# Altium PCB PCB-ZB206B-0B.PcbDoc (part 6 of 7)
Units mm, origin at the board's own origin, x right, y up, seen from the top; angles counter-clockwise.
Board outline 366.51 x 137.86 mm, 2 copper layers (Top Layer, Bottom Layer); 583 components, 415 nets, 1779 pads, 4554 vias.
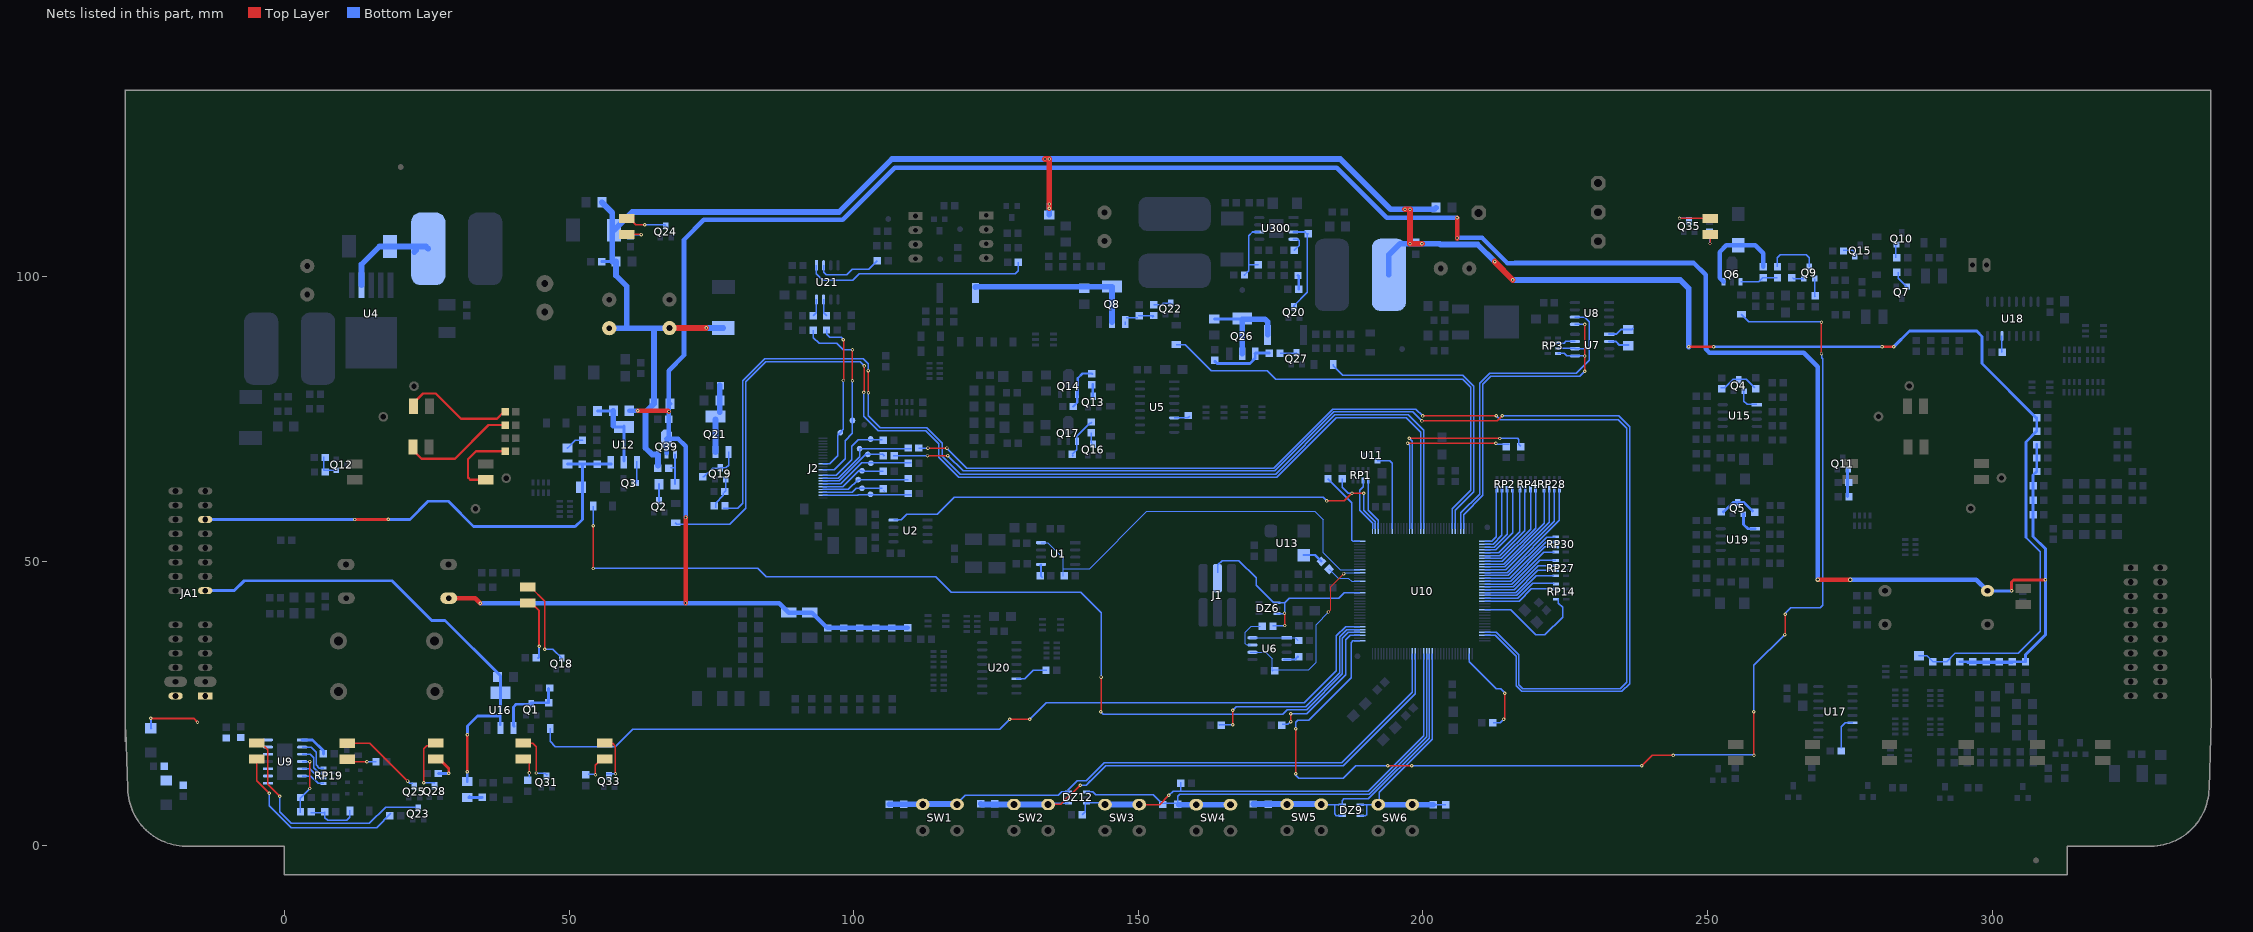
[diagram p6: the nets of this part, all layers, seen from the top]

## Via types
v1: diameter 0.6, hole 0.3, Top Layer to Bottom Layer, tented both sides, 4537 vias
v2: diameter 0.8, hole 0.3, Top Layer to Bottom Layer, 6 vias
v3: diameter 6, hole 3.4, Top Layer to Bottom Layer, 4 vias
v4: diameter 1, hole 0.5, Top Layer to Bottom Layer, tented both sides, 3 vias
v5: diameter 0.8, hole 0.4, Top Layer to Bottom Layer, 2 vias
v6: diameter 1, hole 0.3, Top Layer to Bottom Layer, 1 vias
v7: diameter 1, hole 0.5, Top Layer to Bottom Layer, 1 vias

## Nets (pads, with @x,y where several pads share a name; then routed paths per layer and width w, separated by ;. In a path a pad name is that pad's centre, name@x,y a point inside that pad or via, vN(x,y) a via of type N, cw(c..) or ccw(c..) an arc to the next point about the centre after c; other vN are vias at no path point) (continued)
NetDL13_1: DL13.1 RL6.2 | length 13.6
  Top Layer w0.4: DL13.1@35.332,64.327 32.623,64.327 32.23,64.72 32.23,67.93 33.65,69.35 RL6.2@38.75,69.35
NetDL14_1: DL14.1 RL7.2 | length 19.7
  Top Layer w0.4: DL14.1@22.652,77.237 22.652,77.812 24.34,79.5 26.55,79.5 30.995,75.055 37.305,75.055 38.51,76.26 RL7.2@38.75,76.26
NetDL15_1: DL15.1 RL8.2 | length 19.8
  Top Layer w0.4: DL15.1@22.572,70.077 22.572,69.518 24.07,68.02 29.93,68.02 35.85,73.94 RL8.2@38.75,73.94
NetDL16_1: DL16.1 R74.1 | length 4.3
  Top Layer w0.25: DL16.1@60.122,107.437 62.623,107.437 v1(62.65,107.41)
  Bottom Layer w0.25: R74.1@60.91,107.47 60.97,107.41 v1(62.65,107.41)
NetDL16_2: DL16.2 Q24.3 | length 8.7
  Top Layer w0.25: DL16.2@60.699,109.66 DL16.2@60.122,110.237 DL16.2@61.403,110.237 ; DL16.2@60.83,110.03 61.73,109.13 v1(63.27,109.13)
  Bottom Layer w0.25: v1(63.27,109.13) 63.28,109.12 66.757,109.12 Q24.3@66.965,108.912
NetDL17_1: DL17.1 R23.1 | length 11.2
  Top Layer w0.35: DL17.1@43.316,43.28 43.048,43.012 44.73,41.33 v1(44.73,35.08)
  Bottom Layer w0.35: R23.1@44.55,33.01 44.73,33.19 v1(44.73,35.08)
NetDL17_2: DL17.2 Q18.3 | length 16.1
  Top Layer w0.3: DL17.2@42.722,45.487 43.203,45.487 45.71,42.98 v1(45.71,34.56)
  Bottom Layer w0.3: v1(45.71,34.56) 47.152,34.56 Q18.3@48.692,33.02
NetDL18_1: DL18.1 R55.1 | length 33.1
  Top Layer w0.25: DL18.1@-4.868,15.247 -4.868,11.468 v1(-2.67,9.27)
  Bottom Layer w0.25: v1(-2.67,9.27) -2.67,7.02 1.16,3.19 16.18,3.19 R55.1@18.685,5.695
NetDL18_2: DL18.2 Q23.3 | length 40
  Top Layer w0.25: DL18.2@-4.868,18.047 -4.157,18.047 -2.97,16.86 -2.97,10.86 -0.84,8.73 v1(-0.83,8.73)
  Bottom Layer w0.25: v1(-0.83,8.73) -0.83,5.99 1.21,3.95 14.87,3.95 17.74,6.82 Q23.3@23.03,6.82
NetDL19_1: DL19.1 R172.1 | length 4.7
  Top Layer w0.25: DL19.1@11.48,14.97 11.68,14.77 v1(14.47,14.77)
  Bottom Layer w0.25: v1(14.47,14.77) R172.1@16.07,14.77
NetDL19_2: DL19.2 Q25.3 | length 14.4
  Top Layer w0.25: DL19.2@11.022,18.027 14.973,18.027 v1(21.61,11.39)
  Bottom Layer w0.25: v1(21.61,11.39) 22.03,10.97 Q25.3@22.48,10.97
NetDL20_1: DL20.1 R180.1 | length 4.8
  Top Layer w0.5: DL20.1@27.35,15.1 28.85,13.6 v1(28.85,12.74)
  Bottom Layer w0.5: R180.1@27.02,12.72 28.83,12.72 v1(28.85,12.74)
NetDL20_2: DL20.2 Q28.3 | length 10.5
  Top Layer w0.25: v1(24.44,11.09) 24.44,17.07 24.96,17.59 26.126,17.59 DL20.2@26.592,18.057
  Bottom Layer w0.25: v1(24.44,11.09) 26.26,11.09 Q28.3@26.38,10.97
NetDL21_1: DL21.1 R185.1 | length 3.6
  Top Layer w0.25: DL21.1@41.912,15.247 42.693,15.247 43.02,14.92 43.02,13.21
  Bottom Layer w0.25: v1(43.02,12.82) 43.02,12.19 R185.1@43.06,12.15
NetDL21_2: DL21.2 Q31.3 | length 8.9
  Top Layer w0.25: DL21.2@41.912,18.047 43.603,18.047 44.24,17.41 44.24,13.21 ; v1@44.18,12.76 v1@44.24,12.82
  Bottom Layer w0.25: v1(44.24,12.8) 45.69,12.8 Q31.3@46.12,12.37
NetDL22_1: DL22.1 R189.1 | length 5.1
  Top Layer w0.25: v1@54.58,12.41 54.63,12.46 v1(54.63,12.5) 54.63,14.16 55.717,15.247 DL22.1@56.242,15.247
  Bottom Layer w0.25: R189.1@53.37,12.58 54.55,12.58 v1(54.63,12.5)
NetDL22_2: DL22.2 Q33.3 | length 8.7
  Top Layer w0.25: DL22.2@56.242,18.047 57.623,18.047 58.12,17.55 58.12,12.7 v1@58.04,12.62
  Bottom Layer w0.25: Q33.3@56.535,12.7 v1(58.14,12.7)
NetDL23_1: DL23.1 R193.1 | length 3.6
  Top Layer w0.25: v1(250.44,105.83) 250.462,105.852 DL23.1@250.462,107.437
  Bottom Layer w0.25: R193.1@250.38,107.78 250.44,107.72 v1(250.44,105.83)
NetDL23_2: DL23.2 Q35.3 | length 7.2
  Top Layer w0.25: v1(245.09,110.24) 245.093,110.237 DL23.2@250.462,110.237 DL23.2@250.476,110.25
  Bottom Layer w0.25: v1(245.09,110.24) 246.88,110.24 Q35.3@246.9,110.22
NetDW1_2: DW1.2 L2.1 U4.2 | length 17.3
  Bottom Layer w1: U4.2@13.52,98.51 13.52,102.169 16.666,105.315 DW1.2@18.507,105.315 24.845,105.315 L2.1@25.25,104.91 ; L2.1@22.81,104.33 L2.1@23.12,104.64
NetDW12_2: DW12.2 R32.2 R147.1 | length 9.3
  Bottom Layer w0.25: R32.2@4.64,5.81 R147.1@6.86,5.81 ; R147.1@7.08,5.99 7.08,4.94 7.55,4.47 10.89,4.47 11.47,5.05 DW12.2@11.47,6.13 DW12.2@11.47,6.25
NetJ2_2: J2.2 R138.1 TP20.1 | length 15.6
  Bottom Layer w0.25: J2.2@94.575,61.62 100.677,61.62 100.787,61.73 R138.1@110.1,61.73
NetJ2_3: J2.3 R148.1 TP21.1 | length 10.7
  Bottom Layer w0.25: J2.3@94.575,62.12 99.737,62.12 100.447,62.83 TP21.1@101.46,62.83 ; TP21.1@101.498,62.88 R148.1@104.97,62.88 ; R148.1@105.31,62.35 R148.1@105.37,62.41
NetJ2_4: J2.4 R149.1 TP22.1 | length 15.7
  Bottom Layer w0.25: J2.4@94.575,62.62 99.03,62.62 TP22.1@100.77,64.36 ; TP22.1@100.84,64.36 R149.1@109.58,64.36
NetJ2_5: J2.5 R152.1 TP23.1 | length 11.9
  Bottom Layer w0.25: J2.5@94.575,63.12 98.096,63.12 100.866,65.89 TP23.1@101.37,65.89 ; TP23.1@101.46,65.89 TP23.1@101.37,65.89 ; R152.1@105.18,65.83 R152.1@105.19,65.82 ; R152.1@105.21,65.85 101.41,65.85 TP23.1@101.37,65.89
NetJ2_6: J2.6 R153.1 TP24.1 | length 17
  Bottom Layer w0.25: J2.6@94.575,63.62 97.758,63.62 101.428,67.29 R153.1@110.07,67.29
NetJ2_7: J2.7 R154.1 TP25.1 | length 13.5
  Bottom Layer w0.25: J2.7@94.575,64.12 97.491,64.12 102.152,68.78 TP25.1@102.49,68.78 TP25.1@102.59,68.78 ; TP25.1@102.76,68.95 TP25.1@102.59,68.78 ; R154.1@104.99,68.93 R154.1@105.14,68.78 ; R154.1@105.19,68.58 105.283,68.58 R154.1@105.311,68.609 ; R154.1@105.41,68.51 R154.1@105.311,68.609 ; TP25.1@102.59,68.78 R154.1@105.14,68.78 ; R154.1@105.14,68.78 R154.1@105.311,68.609
NetJ2_8: J2.8 R155.1 TP26.1 | length 18.5
  Bottom Layer w0.25: J2.8@94.575,64.62 97.284,64.62 101.03,68.366 TP26.1@101.03,69.78 R155.1@110.07,69.78
NetJ2_9: J2.9 R156.1 TP27.1 | length 14.5
  Bottom Layer w0.25: J2.9@94.575,65.12 96.972,65.12 99.67,67.818 99.67,70.25 100.82,71.4 R156.1@105.04,71.4
NetL5_1: L5.1 Q6.3 R115.1 | length 16.6
  Bottom Layer w0.8: Q6.3@252.82,99.09 252.12,99.79 252.12,104.33 253.31,105.52 L5.1@255.4,105.52 258.39,105.52 259.78,104.13 R115.1@259.78,101.75
NetL21_1: L21.1 Q21.2 Q21.4 R133.2 | length 10.4
  Bottom Layer w1: Q21.2@75.71,69.22 Q21.4@75.71,74.9 ; Q21.4@76.48,76.19 76.48,80.84 L21.1@76.48,80.95
NetQ1_3: Q1.3 R7.2 R97.2 U16.1 | length 12.7
  Bottom Layer w0.5: U16.1@40.34,21.03 40.22,21.15 40.22,24.42 40.68,24.88 Q1.3@43.11,24.88 ; Q1.3@43.15,24.942 43.15,24.92 Q1.3@43.11,24.88 ; Q1.3@43.165,24.942 43.363,25.14 R97.2@46.4,25.14 46.4,27.61 R7.2@46.36,27.65 ; Q1.3@43.37,24.88 Q1.3@43.11,24.88
NetQ2_3: Q2.3 R16.1 | length 3.2
  Bottom Layer w0.4: R16.1@65.79,63.29 R16.1@65.79,63.53 ; Q2.3@65.795,60.612 R16.1@65.795,63.525
NetQ3_3: Q3.3 U12.1 | length 4
  Bottom Layer w0.25: Q3.3@61.582,63.755 61.91,64.083 U12.1@61.91,67.4 U12.1@61.91,67.6
NetQ4_1: Q4.1 U15.1 | length 4.7
  Bottom Layer w0.25: Q4.1@256.4,80.34 256.4,78.15 256.97,77.58 U15.1@258.69,77.58
NetQ4_2: Q4.2 R14.1 R21.1 | length 7.2
  Bottom Layer w0.254: R21.1@252.36,80.47 253.06,80.47 254.552,81.962 256.798,81.962 R14.1@258.29,80.47
NetQ5_1: Q5.1 U19.1 | length 4.2
  Bottom Layer w0.5: Q5.1@256.4,58.31 256.38,58.33 256.36,58.33 256.34,58.31 256.34,56.48 257.09,55.73 U19.1@258.33,55.73
NetQ5_2: Q5.2 R93.1 R96.1 | length 6.4
  Bottom Layer w0.5: R96.1@252.81,58.72 252.83,58.7 252.83,58.68 254.462,60.312 Q5.2@255.339,60.312 256.408,60.312 R93.1@257.89,58.83
NetQ6_1: Q6.1 R115.2 R116.2 | length 6.8
  Bottom Layer w0.25: Q6.1@255.82,99.09 258.97,99.09 259.72,99.84 R116.2@262.3,99.84 ; R115.2@259.67,99.38 259.68,99.38 R115.2@259.69,99.37
NetQ7_1: Q7.1 R117.2 | length 3.3
  Bottom Layer w0.25: R117.2@283.51,100.76 283.49,100.74 283.49,99.74 285.035,98.195 Q7.1@285.035,98.13
NetQ8_1: Q8.1 R171.1 R174.1 | length 5.6
  Bottom Layer w0.25: Q8.1@147.69,91.59 Q8.1@147.69,92.06 ; Q8.1@147.84,92.79 R171.1@149.91,92.79 ; R171.1@150.06,93.23 150.11,93.18 R174.1@152.72,93.18 R174.1@152.44,92.9
NetQ8_2: Q8.2 R25.1 R169.2 | length 30.3
  Bottom Layer w1: R25.1@121.33,98.16 121.425,98.255 145.39,98.255 Q8.2@145.39,92.06
NetQ9_1: Q9.1 R165.2 | length 2
  Bottom Layer w0.25: R165.2@264.96,99.78 265.06,99.68 Q9.1@266.935,99.68
NetQ9_2: Q9.2 R157.2 | length 3.2
  Bottom Layer w0.25: Q9.2@268.84,99.68 268.84,96.56 R157.2@268.91,96.49
NetQ9_3: Q9.3 R116.1 | length 9.1
  Bottom Layer w0.25: R116.1@262.3,101.74 262.3,103.34 262.8,103.84 267.36,103.84 267.91,103.29 Q9.3@267.91,101.79
NetQ10_1: Q10.1 R164.1 | length 2.7
  Bottom Layer w0.25: Q10.1@283.07,105.98 283.12,105.93 R164.1@283.12,103.31
NetQ11_1: Q11.1 R75.2 R78.1 | length 4.7
  Bottom Layer w0.5: R75.2@274.59,61.36 Q11.1@274.59,66.05
NetQ12_1: Q12.1 R76.2 R79.1 | length 4.5
  Bottom Layer w0.25: R79.1@6.903,68.342 6.903,66.012 9.063,66.012 Q12.1@9.073,66.002
NetQ13_3: Q13.3 R84.2 | length 2.3
  Bottom Layer w0.4: Q13.3@141.87,78.84 141.98,78.95 R84.2@141.98,81.1
NetQ14_1: Q14.1 R81.2 R84.1 | length 9
  Bottom Layer w0.4: R81.2@138.59,77.2 139.28,77.89 139.28,80.06 ; Q14.1@139.38,79.21 139.38,82.17 140.21,83 141.79,83 141.9,82.89 R84.1@141.89,82.89
NetQ15_1: Q15.1 R170.2 | length 2.9
  Bottom Layer w0.25: R170.2@273.83,104.65 275.48,104.65 275.895,104.235 Q15.1@275.895,103.54
NetQ16_3: Q16.3 R128.1 | length 1.9
  Bottom Layer w0.25: R128.1@141.72,72.58 141.72,70.87 Q16.3@141.88,70.71
NetQ17_1: Q17.1 R57.2 R128.2 | length 7.4
  Bottom Layer w0.25: R57.2@138.38,68.45 R57.2@138.555,68.625 ; R57.2@138.39,68.79 139.19,69.59 Q17.1@139.19,71.12 ; Q17.1@139.22,71.12 139.22,72.012 141.478,74.27 141.62,74.27 R128.2@141.82,74.47
NetQ19_1: Q19.1 R135.2 R136.2 | length 5.6
  Bottom Layer w0.25: R135.2@75.77,59.42 75.77,60.24 77.11,61.58 R136.2@77.11,62.04 ; R136.2@77.3,62.11 77.29,62.12 77.28,62.12 77.53,62.37 Q19.1@77.53,64.39
NetQ19_3: Q19.3 Q21.1 R134.2 | length 7.6
  Bottom Layer w0.25: R134.2@73.45,64.83 73.63,64.83 75.19,66.39 Q19.3@76.5,66.39 ; Q19.3@76.565,66.422 77.512,66.422 78.01,66.92 Q21.1@78.01,69.22
NetQ20_3: Q20.3 R130.2 U300.3 | length 16.5
  Bottom Layer w0.3: U300.3@177.25,107.855 179.297,107.855 R130.2@179.705,107.447 ; Q20.3@177.343,94.742 177.343,94.92 179.705,97.282 R130.2@179.705,107.447 ; R130.2@179.832,107.574 R130.2@179.705,107.447
NetQ22_3: Q22.3 R174.2 | length 3.2
  Bottom Layer w0.25: R174.2@152.72,95.08 154.102,95.08 154.374,95.352 Q22.3@155.705,95.352 ; Q22.3@155.66,95.08 Q22.3@155.73,95.01
NetQ26_1: Q26.1 R102.1 R105.1 | length 11
  Bottom Layer w0.5: R102.1@163.419,85.157 163.829,84.747 169.599,84.747 170.558,85.706 Q26.1@170.558,86.457 ; Q26.1@170.489,86.497 170.579,86.587 R105.1@172.999,86.587
NetQ26_2: Q26.2 R22.1 R62.2 | length 17.9
  Bottom Layer w0.5: R62.2@163.359,92.547 Q26.2@168.258,92.547
  Bottom Layer w1: Q26.2@168.258,86.457 168.258,92.547 172.248,92.547 172.72,92.075 R22.1@172.72,89.789
NetQ27_3: Q27.3 R105.2 | length 2.9
  Bottom Layer w0.25: R105.2@174.899,86.587 177.773,86.587 Q27.3@177.8,86.614
NetQ39_1: Q39.1 R16.2 R110.1 | length 6
  Bottom Layer w0.3: R110.1@67.9,66.43 68.53,66.43 68.61,66.35 ; R16.2@68.59,63.53 68.61,63.55 68.61,66.35 ; Q39.1@68.61,68.75 68.61,66.35
NetR9_1: R9.1 U10.87 | length 36.7
  Top Layer w0.25: v1(197.6,71.63) 213.45,71.63 v1(213.5,71.58)
  Bottom Layer w0.25: v1(197.6,71.63) 198.15,71.08 U10.87@198.15,55.76 ; v1(213.5,71.58) 216.67,71.58 216.87,71.38 216.87,70.54 R9.1@217.16,70.25
NetR10_1: R10.1 U10.86 | length 33.1
  Top Layer w0.25: v1(197.31,70.76) v1(212.83,70.76)
  Bottom Layer w0.25: v1(197.31,70.76) 197.65,70.42 U10.86@197.65,55.76 ; v1@212.81,70.74 v1(212.83,70.76) 212.99,70.6 R10.1@215.16,70.6
NetR17_1: R17.1 R18.1 U12.2 U12.4 | length 13.6
  Bottom Layer w0.5: R18.1@54.97,76.42 57.77,76.42 R17.1@57.77,76.44 ; 57.77,73.802 57.972,73.6 U12.4@59.61,73.6 ; U12.2@59.61,67.6 U12.4@59.61,73.8
  Bottom Layer w1: 57.77,73.802 R17.1@57.77,76.42
NetR29_1: R29.1 U9.1 | length 5.1
  Bottom Layer w0.5: U9.1@3.09,18.63 4.91,18.63 6.83,16.71 R29.1@6.83,16.17
NetR32_1: R32.1 R38.2 U9.4 | length 11
  Top Layer w0.25: v1@4.42,10.12 v1(4.42,14.82)
  Bottom Layer w0.25: R32.1@2.74,5.81 2.74,8.47 2.81,8.47 v1(4.42,10.08) ; U9.4@3.09,14.82 v1(4.42,14.82)
NetR33_1: R33.1 U6.1 U6.8 | length 8.5
  Bottom Layer w0.2: U6.8@169.657,36.568 U6.8@170.06,36.568 U6.1@176.06,36.568 177.567,36.568 R33.1@177.997,36.138
NetR34_1: R34.1 U6.7 | length 6
  Bottom Layer w0.2: U6.7@169.657,35.298 169.042,35.298 168.802,35.538 168.802,37.512 169.87,38.58 R34.1@171.4,38.58
NetR35_1: R35.1 U6.4 | length 2.5
  Bottom Layer w0.4: U6.4@175.657,32.758 U6.4@176.06,32.758 177.537,32.758 R35.1@178.007,33.228
NetR43_1: R43.1 U10.41 | length 36.8
  Top Layer w0.25: v1(166.57,23.82) 166.57,21.32 v1(166.58,21.31)
  Bottom Layer w0.25: R43.1@164.25,21.21 164.35,21.31 v1(166.58,21.31) ; v1(166.57,23.82) 167.2,24.45 179.39,24.45 185.37,30.43 185.37,36.74 186.64,38.01 U10.41@188.9,38.01
NetR53_1: R53.1 U13.3 | length 3.6
  Bottom Layer w0.4: U13.3@179.025,51.1 181.04,51.1 R53.1@182.17,49.97
NetR53_2: R53.2 U10.58 | length 6.3
  Bottom Layer w0.2: R53.2@183.45,48.61 R53.2@183.474,48.586 ; R53.2@183.514,48.626 185.098,47.042 186.928,47.042 187.46,46.51 U10.58@188.9,46.51
NetR87_1: R87.1 U5.6 | length 2.9
  Bottom Layer w0.25: U5.6@156.31,75.2 158.73,75.2 R87.1@159.05,75.52
NetR88_1: R88.1 U17.6 | length 6
  Bottom Layer w0.25: R88.1@273.52,17.17 273.52,20.96 274.2,21.64 U17.6@275.48,21.64
NetR89_1: R89.1 U18.6 | length 2.9
  Bottom Layer w0.25: U18.6@301.742,89.607 301.742,86.828 R89.1@301.82,86.75
NetR90_1: R90.1 U20.6 | length 5.9
  Bottom Layer w0.25: U20.6@128.55,29.38 130.08,29.38 131.52,30.82 R90.1@133.87,30.82
NetR139_2: R139.2 U10.2 | length 16.7
  Top Layer w0.25: v1(214.18,22.23) 214.37,22.42 v1(214.37,26.83)
  Bottom Layer w0.25: U10.2@208.15,33.76 208.15,32.344 212.884,27.61 213.65,27.61 214.37,26.89 v1(214.37,26.83) ; R139.2@212.37,21.64 213.59,21.64 v1(214.18,22.23)
NetR140_1: R140.1 R145.2 | length 2.6
  Bottom Layer w0.5: R145.2@32.51,8.65 32.37,8.51 34.7,8.51 R140.1@34.74,8.55
NetR142_1: R142.1 U10.72 | length 14
  Bottom Layer w0.25: R142.1@183.32,64.48 187.53,60.27 187.53,53.737 187.757,53.51 U10.72@188.9,53.51
NetR143_1: R143.1 R146.2 | length 3.2
  Bottom Layer w0.3: R146.2@49.7,69.89 51.09,71.28 R143.1@52.34,71.28
NetR163_1: R163.1 R179.2 U300.6 | length 11
  Bottom Layer w0.3: R163.1@168.656,100.308 169.418,101.07 169.418,102.108 ; R179.2@171.069,102.108 169.418,102.108 ; U300.6@171.25,107.855 170.065,107.855 169.418,107.208 169.418,102.108
NetR175_1: R175.1 U10.39 | length 24.5
  Top Layer w0.25: v1(176.77,21.84) v1(176.77,23.24) v1@176.77,23.26
  Bottom Layer w0.25: R175.1@175.31,21.34 176.27,21.34 v1(176.77,21.84) ; v1@176.77,23.26 179.617,23.26 186.41,30.053 186.41,36.19 187.23,37.01 U10.39@188.9,37.01
NetR195_2: R195.2 U300.4 | length 3.2
  Bottom Layer w0.3: U300.4@177.25,106.585 178.022,106.585 178.26,106.347 178.26,105.489 R195.2@177.419,104.648
NetR196_2: R196.2 R197.1 | length 2.5
  Bottom Layer w0.5: R196.2@178.054,100.208 178.181,100.081 R197.1@178.181,97.79
NetR233_2: R233.2 U21.8 | length 3.1
  Bottom Layer w0.25: R233.2@92.9,93.16 93.43,93.69 U21.8@93.43,96
NetR234_1: R234.1 U21.7 | length 3
  Bottom Layer w0.25: U21.7@94.7,96 94.7,93.69 R234.1@95.22,93.17
NetRP1_1: RP1.1 U10.75 | length 9.2
  Bottom Layer w0.25: RP1.1@190.4,64.2 190.4,58.955 192.15,57.205 U10.75@192.15,55.76
NetRP1_2: RP1.2 U10.73 | length 9.6
  Bottom Layer w0.25: RP1.2@189.5,64.2 189.5,63.135 188.874,62.509 188.874,59.004 191.15,56.729 U10.73@191.15,55.76
NetRP2_5: RP2.5 U10.112 | length 14.1
  Bottom Layer w0.25: U10.112@210.9,52.01 212.761,52.01 215.77,55.019 215.77,60.88 215.78,60.89 RP2.5@215.78,63.03
NetRP2_6: RP2.6 U10.111 | length 12.8
  Bottom Layer w0.25: U10.111@210.9,52.51 212.547,52.51 214.8,54.763 214.8,61.14 214.81,61.15 RP2.6@214.81,62.75
NetRP2_7: RP2.7 U10.110 | length 11.9
  Bottom Layer w0.25: U10.110@210.9,53.01 212.34,53.01 213.88,54.55 RP2.7@213.88,62.82
NetRP2_8: RP2.8 U10.109 | length 10.7
  Bottom Layer w0.25: U10.109@210.9,53.51 212.12,53.51 212.9,54.29 RP2.8@212.9,62.63
NetRP3_2: RP3.2 U7.7 | length 3.1
  Bottom Layer w0.25: RP3.2@223.719,88.335 224.829,88.335 225.119,88.625 U7.7@226.729,88.625
NetRP4_5: RP4.5 U10.116 | length 18.5
  Bottom Layer w0.25: U10.116@210.9,50.01 213.961,50.01 219.8,55.849 RP4.5@219.8,63.04
NetRP4_6: RP4.6 U10.115 | length 17.1
  Bottom Layer w0.25: U10.115@210.9,50.51 213.751,50.51 218.91,55.669 RP4.6@218.91,62.59
NetRP4_7: RP4.7 U10.114 | length 16.4
  Bottom Layer w0.25: U10.114@210.9,51.01 213.541,51.01 217.93,55.399 RP4.7@217.93,62.94
NetRP4_8: RP4.8 U10.113 | length 14.9
  Bottom Layer w0.25: U10.113@210.9,51.51 213.33,51.51 216.99,55.17 RP4.8@216.99,62.51
NetRP14_5: RP14.5 U10.133 | length 20.3
  Bottom Layer w0.25: U10.133@210.9,41.51 215.434,41.51 219.86,37.084 221.444,37.084 224.54,40.18 224.54,41.89 223.79,42.64 223.79,43.34 RP14.5@223.79,43.41
NetRP14_7: RP14.7 U10.130 | length 13.4
  Bottom Layer w0.25: U10.130@210.9,43.01 216.902,43.01 219.062,45.17 RP14.7@223.42,45.17
NetRP14_8: RP14.8 U10.129 | length 13.3
  Bottom Layer w0.25: U10.129@210.9,43.51 216.691,43.51 219.291,46.11 RP14.8@223.08,46.11
NetRP19_5: RP19.5 U9.6 | length 4.3
  Bottom Layer w0.25: U9.6@3.09,12.28 4.58,12.28 5.88,10.98 RP19.5@6.85,10.98
NetRP19_6: RP19.6 U9.5 | length 4.5
  Bottom Layer w0.25: U9.5@3.09,13.55 4.47,13.55 6.14,11.88 RP19.6@6.85,11.88
NetRP19_7: RP19.7 U9.3 | length 6.1
  Bottom Layer w0.25: U9.3@3.09,16.09 4.49,16.09 5.1,15.48 5.1,13.77 6.09,12.78 RP19.7@6.85,12.78
NetRP19_8: RP19.8 U9.2 | length 6.6
  Bottom Layer w0.25: U9.2@3.09,17.36 4.68,17.36 5.6,16.44 5.6,14.22 6.14,13.68 RP19.8@6.85,13.68
NetRP27_5: RP27.5 U10.128 | length 13.6
  Bottom Layer w0.25: U10.128@210.9,44.01 216.481,44.01 219.941,47.47 RP27.5@223.03,47.47
NetRP27_6: RP27.6 U10.127 | length 13.8
  Bottom Layer w0.25: U10.127@210.9,44.51 216.271,44.51 220.161,48.4 RP27.6@223.12,48.4
NetRP27_7: RP27.7 U10.126 | length 14
  Bottom Layer w0.25: U10.126@210.9,45.01 216.061,45.01 220.271,49.22 RP27.7@223.19,49.22
NetRP27_8: RP27.8 U10.125 | length 14.4
  Bottom Layer w0.25: U10.125@210.9,45.51 215.851,45.51 220.521,50.18 RP27.8@223.38,50.18
NetRP28_5: RP28.5 U10.120 | length 22.3
  Bottom Layer w0.25: U10.120@210.9,48.01 214.801,48.01 223.98,57.189 RP28.5@223.98,62.58
NetRP28_6: RP28.6 U10.119 | length 21.3
  Bottom Layer w0.25: U10.119@210.9,48.51 214.591,48.51 223.11,57.029 RP28.6@223.11,62.56
NetRP28_7: RP28.7 U10.118 | length 20.2
  Bottom Layer w0.25: U10.118@210.9,49.01 214.381,49.01 222.24,56.869 RP28.7@222.24,62.5
NetRP28_8: RP28.8 U10.117 | length 19.2
  Bottom Layer w0.25: U10.117@210.9,49.51 214.171,49.51 221.32,56.659 RP28.8@221.32,62.5
NetRP30_5: RP30.5 U10.124 | length 14.5
  Bottom Layer w0.25: U10.124@210.9,46.01 215.638,46.01 221.258,51.63 RP30.5@223.06,51.63
NetRP30_6: RP30.6 U10.123 | length 14.4
  Bottom Layer w0.25: U10.123@210.9,46.51 215.431,46.51 221.441,52.52 RP30.6@222.85,52.52
NetRP30_7: RP30.7 U10.122 | length 14.9
  Bottom Layer w0.25: U10.122@210.9,47.01 215.221,47.01 221.591,53.38 RP30.7@223.19,53.38
NetRP30_8: RP30.8 U10.121 | length 15.2
  Bottom Layer w0.25: U10.121@210.9,47.51 215.011,47.51 221.741,54.24 RP30.8@223.29,54.24
NetU7_1: U7.1 YC2.2 | length 4.5
  Bottom Layer w0.35: U7.1@232.729,89.895 233.999,89.895 234.799,90.695 236.709,90.695 YC2.2@236.876,90.862
NetU7_2: U7.2 YC2.1 | length 3.6
  Bottom Layer w0.35: U7.2@232.729,88.625 233.889,88.625 234.509,88.005 YC2.1@236.089,88.005
NetU10_80: U10.80 U11.2 | length 14.3
  Bottom Layer w0.25: U11.2@192.024,67.691 194.183,67.691 194.65,67.224 U10.80@194.65,55.76
OUT1: C75.2 D36.2 JA1.1 R131.1 U9.12 U9.13 U9.14 | length 10.3
  Top Layer w0.35: v1(-23.49,22.41) -15.96,22.41 v1(-15.29,21.74)
  Bottom Layer w0.35: v1(-23.49,22.41) -23.49,20.7 -23.44,20.65 -23.42,20.65 D36.2@-23.4,20.67
OUT2: C78.1 D48.2 JA1.2 R36.2 U9.8 U9.9 U9.10
PWM1: D16.1 U10.40 | length 176.2
  Top Layer w0.25: v1(54.23,48.74) v1(54.23,56.25) ; v1(143.39,23.58) 143.49,23.68 143.49,29.63 v1(143.46,29.66)
  Bottom Layer w0.25: v1(54.23,48.74) 83.15,48.74 84.646,47.244 114.446,47.244 117.128,44.562 139.862,44.562 143.46,40.963 v1(143.46,29.66) v1@143.46,29.64 ; v1(54.23,56.25) 54.24,56.26 D16.1@54.24,59.69 ; v1(143.39,23.58) 143.86,23.11 175.38,23.11 176.205,23.935 179.585,23.935 185.87,30.22 185.87,36.49 186.89,37.51 U10.40@188.9,37.51
PWM2: D1.1 U10.42 | length 157.3
  Top Layer w0.25: v1(127.4,22.27) 127.42,22.25 v1(130.93,22.25)
  Bottom Layer w0.25: D1.1@46.67,20.65 46.67,18.36 47.6,17.43 58.11,17.43 61.2,20.52 125.65,20.52 v1(127.4,22.27) ; v1(130.93,22.25) 133.79,25.11 179.18,25.11 184.82,30.75 184.82,36.92 186.41,38.51 U10.42@188.9,38.51
PWMOUT1: C66.1 D11.2 JA1.23 R40.2 R146.1 U12.3 | length 87.4
  Top Layer w0.5: v1(12.32,57.34) 12.34,57.36 18.23,57.36 v1(18.24,57.37)
  Bottom Layer w0.5: JA1.23@-13.948,57.345 12.334,57.345 v1@12.34,57.34 ; v1(18.24,57.37) 22.03,57.37 25.214,60.554 28.778,60.554 33.222,56.11 51.06,56.11 52.32,57.37 R40.2@52.32,67.06 ; R146.1@49.7,67.08 R40.2@52.34,67.08 ; R40.2@52.32,67.08 R40.2@52.32,67.06 ; U12.3@57.41,67.08 C66.1@54.97,67.08 R40.2@52.34,67.08 ; R40.2@52.32,67.06 R40.2@52.34,67.08
PWMOUT2: JA1.13 R1.1 R145.1 U16.2 | length 85
  Top Layer w0.5: v1(32.11,13.01) 32.11,19.53 v1(32.13,19.55)
  Bottom Layer w0.5: JA1.13@-13.948,44.845 -8.835,44.845 -7.09,46.59 18.87,46.59 25.87,39.59 28.21,39.59 37.92,29.88 U16.2@37.92,26.92 37.92,24.67 37.91,24.68 ; R145.1@32.09,11.28 32.09,12.99 v1(32.11,13.01) ; v1@32.14,19.54 32.14,21.091 33.889,22.84 37.9,22.84 ; 37.9,24.69 37.91,24.68 ; U16.2@37.91,21.31 37.91,24.68 ; 37.91,25.26 37.91,24.68
RS0: R3.1 U1.8 U10.62 | length 72.1
  Bottom Layer w0.2: U1.8@132.907,53.268 134.122,53.268 136.83,50.56 136.83,48.71 ; 136.81,48.71 136.83,48.71 ; R3.1@136.82,47.41 136.83,47.4 136.83,48.71 ; U10.62@188.9,48.51 185.481,48.51 182.455,51.536 182.455,57.269 180.964,58.76 151.521,58.76 141.471,48.71 136.83,48.71